# Altium PCB PA-HF_100W-VHF_60W.PcbDoc (part 2 of 3)
Units mm, origin at the board's own origin, x right, y up, seen from the top; angles counter-clockwise.
Board outline 171 x 171 mm, 2 copper layers (Top Layer, Bottom Layer), stack 1.571 mm thick; 425 components, 235 nets, 1294 pads, 562 vias.
Unrouted connection lines stored in the file: 405.
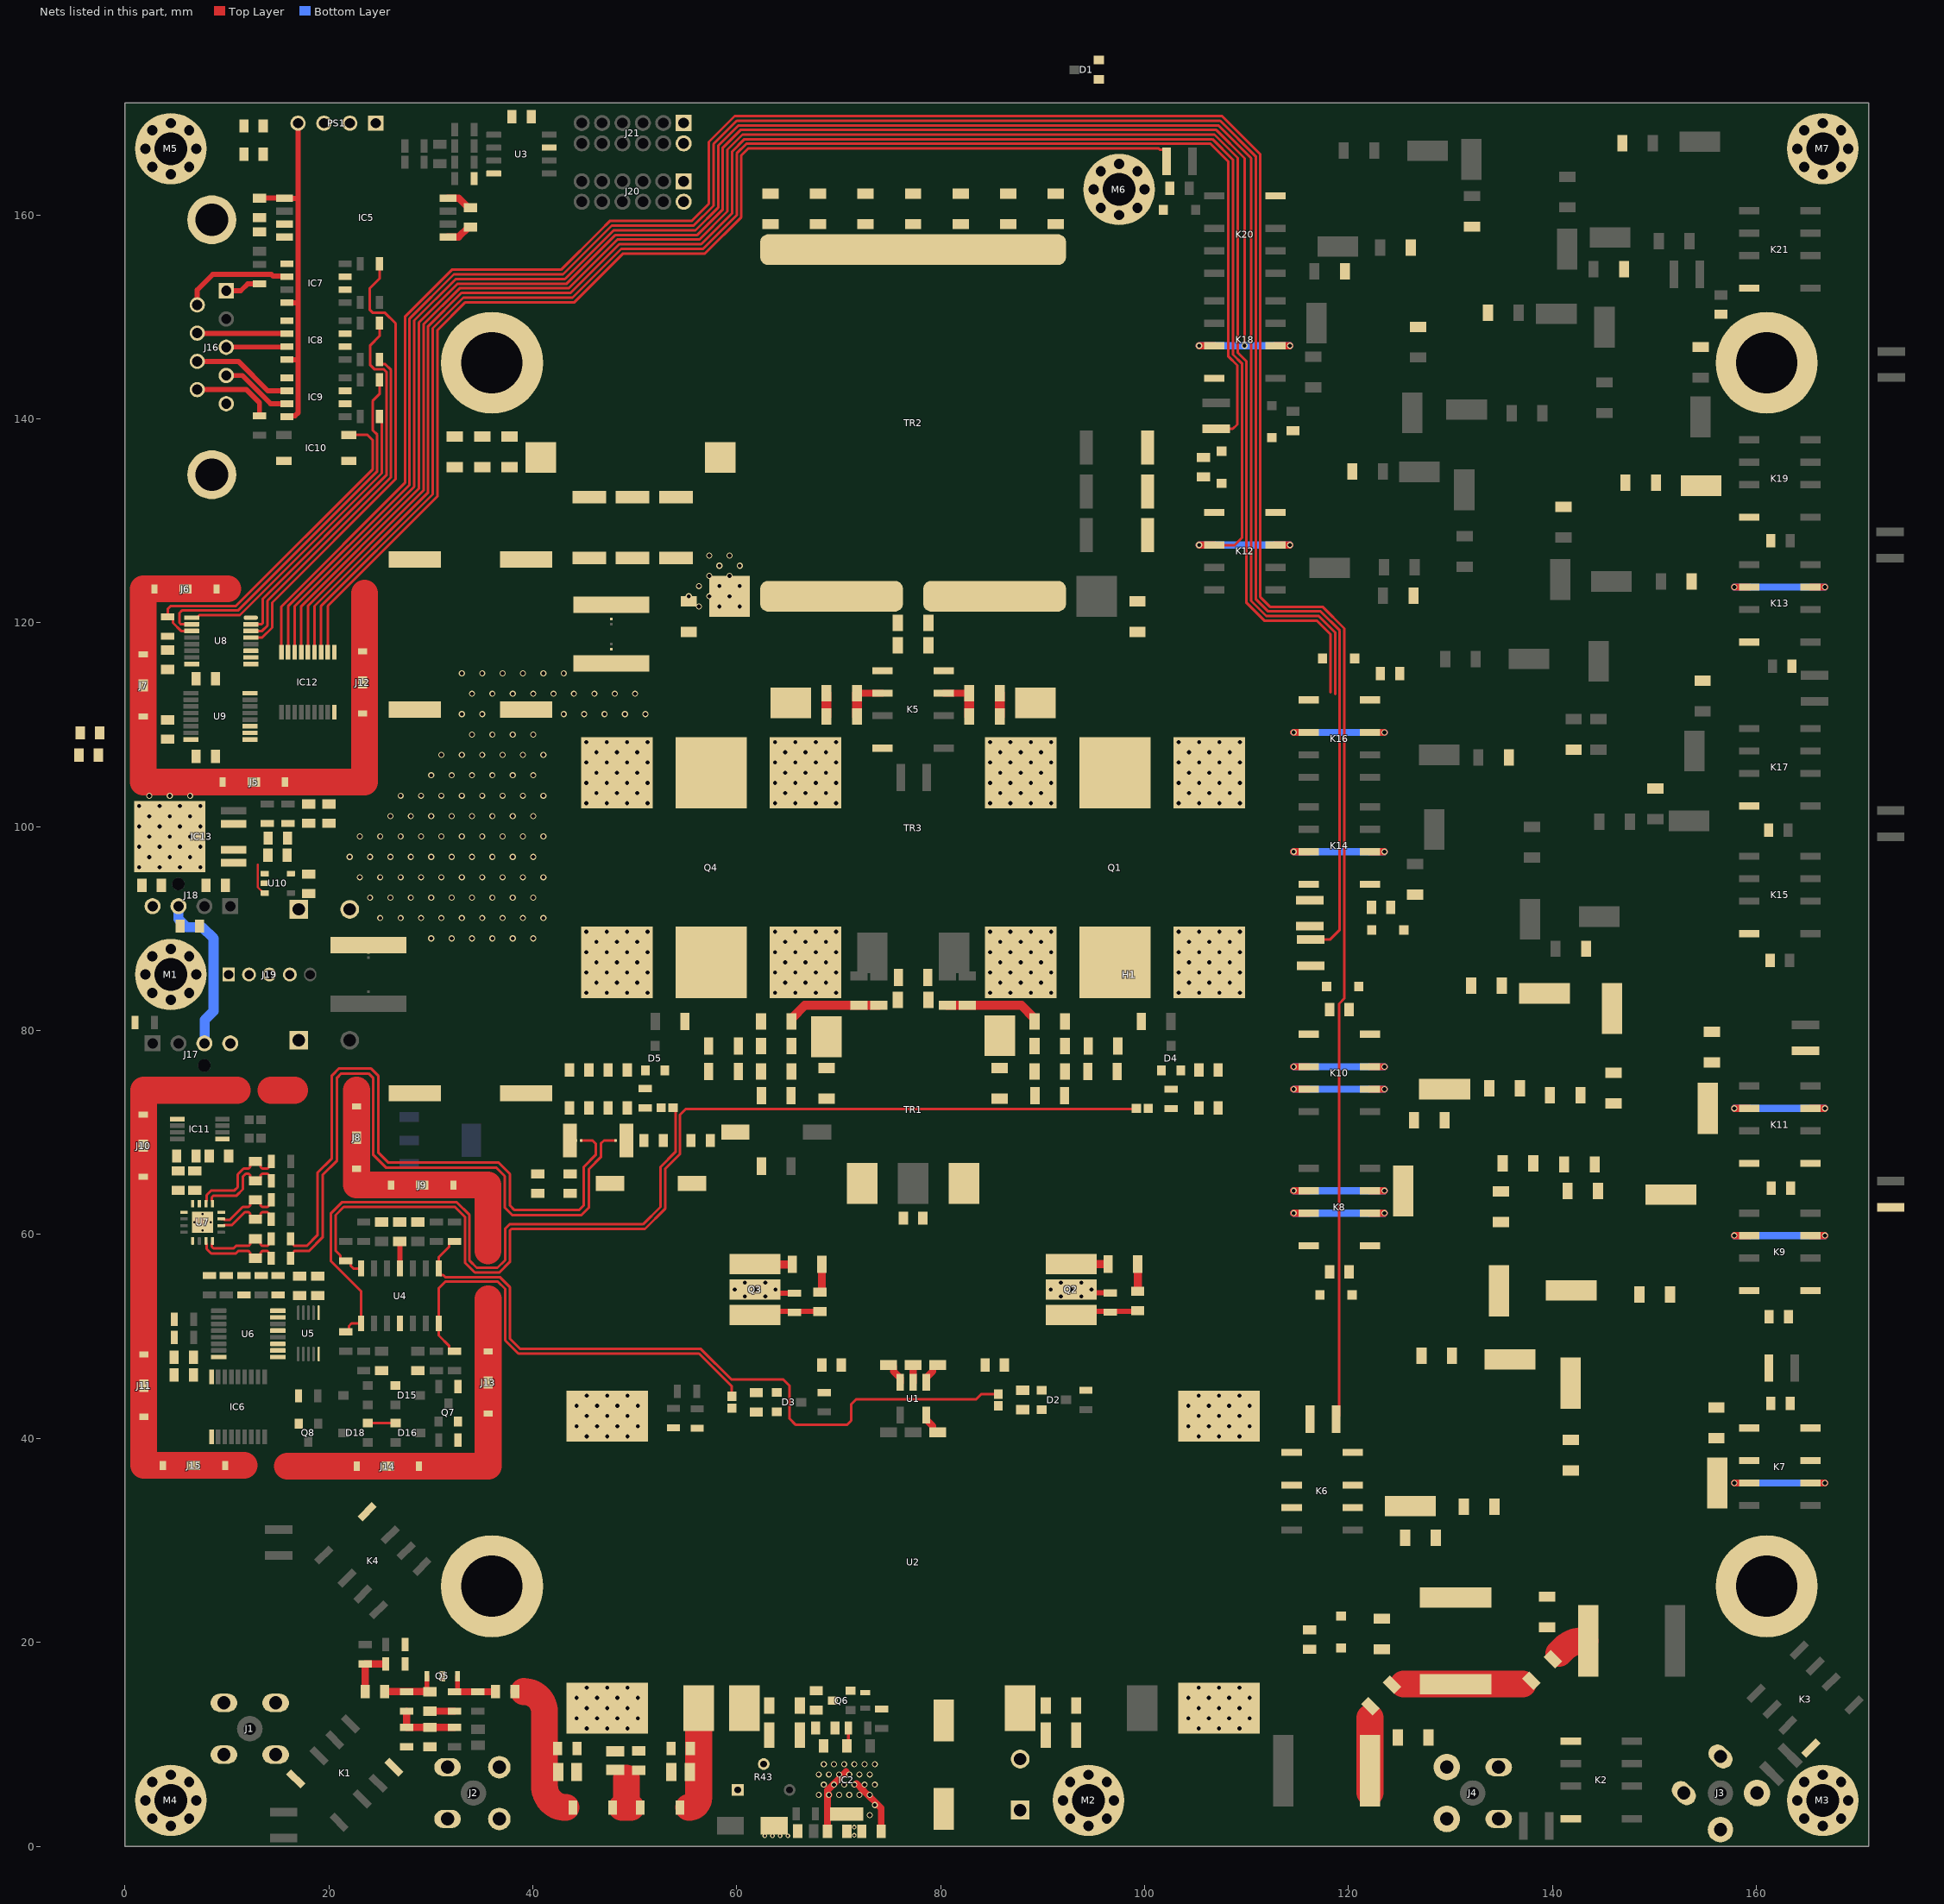
[diagram p2: the nets of this part, all layers, seen from the top]

## Footprints (in the part's own frame and the unit in brackets; to place one, negate y for a bottom-side part, rotate by r counter-clockwise, add the part's x,y. Pads: shape width x height; smd on the part's side, far side on the other; paste and mask are expansions set on the pad) (continued)
SHDR12W60P200_2X6_1400X500X690P [mm]
  rect 1.575x1.575 hole 1.05: 1(0,0)
  round 1.575 hole 1.05: 2(0,2) 3(-2,0) 4(-2,2) 5(-4,0) 6(-4,2) 7(-6,0) 8(-6,2) 9(-8,0) 10(-8,2) 11(-10,0) 12(-10,2)
  silkscreen extent -12.5,-1.5 2,3.8, body extent -12,-1.5 2,3.5, height 6.9
SMD-G-10X10.2 [mm] "10X7.7, 8.7, 10, 10.5, 12.5"
  rect 4.1x2 smd paste-0.05 mask+0.05: 1(4.35,0) 2(-4.35,0)
  silkscreen extent -5.25,-5.25 5.25,5.25, body extent -5.85,-5.15 5.85,5.15
"SMT RFI Shield Clip" [mm] "0.15mm"
  rect 0.6x0.9 smd paste+0 mask+0: 1(-3.05,0) 1(3.05,0)
  rect 1.2x0.9 smd paste+0 mask+0: 1(0,0)
  silkscreen extent -3.55,-0.65 3.55,0.65
SOIC127P600X290-8N [mm]
  rect 1.25x0.65 smd: 1(-2.85,1.905) 2(-2.85,0.635) 3(-2.85,-0.635) 4(-2.85,-1.905) 5(2.85,-1.905) 6(2.85,-0.635) 7(2.85,0.635) 8(2.85,1.905)
  silkscreen extent -3.47,-2.55 1.88,2.58, body extent -3,-2.55 3,2.55, height 2.9
SOIC127P1661X403-8N [mm]
  rect 1.65x0.7 smd: 1(-8,1.905) 2(-8,0.635) 3(-8,-0.635) 4(-8,-1.905) 5(8,-1.905) 6(8,-0.635) 7(8,0.635) 8(8,1.905)
  silkscreen extent -8.82,-3.12 6.83,3.12, body extent -8.3,-3.12 8.3,3.12, height 4.03
SOP65P490X110-8N [mm]
  rect 1.425x0.45 smd: 1(-2.212,0.975) 2(-2.212,0.325) 3(-2.212,-0.325) 4(-2.212,-0.975) 5(2.212,-0.975) 6(2.212,-0.325) 7(2.212,0.325) 8(2.212,0.975)
  silkscreen extent -2.93,-1.5 1.15,1.55, body extent -2.45,-1.5 2.45,1.5, height 1.1
SOP65P640X155-18N [mm]
  rect 1.45x0.45 smd: 1(-2.95,2.6) 2(-2.95,1.95) 3(-2.95,1.3) 4(-2.95,0.65) 5(-2.95,0) 6(-2.95,-0.65) 7(-2.95,-1.3) 8(-2.95,-1.95) 9(-2.95,-2.6) 10(2.95,-2.6) 11(2.95,-1.95) 12(2.95,-1.3) 13(2.95,-0.65) 14(2.95,0) 15(2.95,0.65) 16(2.95,1.3) 17(2.95,1.95) 18(2.95,2.6)
  silkscreen extent -3.67,-3.4 1.88,3.4, body extent -3.2,-3.4 3.2,3.4, height 1.55
SOT229P700X180-4N [mm]
  rect 1.3x0.95 smd: 1(-3.35,2.29) 2(-3.35,0) 3(-3.35,-2.29)
  rect 1.3x3.25 smd: 4(3.35,0)
  silkscreen extent -4,-3.25 1.75,3.25, body extent -3.5,-3.25 3.5,3.25, height 1.8
SOT-23 [mm] "3p 0.95P2.9x1.3mm - SOT23; SOT457; SC-74"
  rect 0.85x1 smd: 1(-0.95,-1.2) 2(0.95,-1.2) 3(0,1.2)
  silkscreen extent -1.6,-0.72 1.6,0.85, body extent -1.5,-1.25 1.5,1.25, height 1.1
STA_CSSH2728_STP [mil]
  rect 63x293 smd paste+0 mask+0: 1(-113.5,0) 2(113.5,0)
  silkscreen extent -70,-152 70,152, body extent -137,-146 137,146, height 49
TECO-2-1462037-3_V [mm] "SMT, 8-Leads, Body 10x6mm"
  rect 0.7x2 smd: 1(-3.8,-3) 2(-0.6,-3) 3(1.6,-3) 4(3.8,-3) 5(3.8,3) 6(1.6,3) 7(-0.6,3) 8(-3.8,3)
  silkscreen extent -5,-4.67 5,3, body extent -5,-3 5,3, height 5.65
TRANSF_ACORE2 [mm]
  rect 1x1.65 smd: 1(-3.3,-2.4) 2(-3.3,0) 3(-3.3,2.4) 4(3.3,2.4) 5(3.3,-2.4) ""(3.3,0)
  rect 1.65x0.76 smd: 1(-1.59,-1.27) 2(-1.59,0) 3(-1.59,1.27) 4(1.59,1.27) 5(1.59,-1.27)
  silkscreen extent -2.61,-3.21 2.61,3.13, body extent -3.5,-3.94 3.5,3.94, height 5.24
XT30UM [mm]
  rect 1.836x1.836 hole 1.224: 1(0,0)
  round 1.836 hole 1.224: 2(5,0)
  silkscreen extent -3.3,-2.6 7.6,2.6, body extent -2.6,-2.6 7.6,2.6, height 10.8

## Part data
C1 C2 C3 C4 C5 C6 C7 C8 C9 C10 C11 C12 C13 C14 C15 C16 C17 C18 C19 C21 C23 C25 C30 C31 C32 C33 C34 C35 C39 C40 C44 C45 C46 C47 C48 C49 C52 C54 C55 C59 C60 C62 C64 C65 C66 C67 C68 C69 C70 C134 C135 C136 C137 C138 C139 C140 C141 C142 C143 C144 C145 C146 C147 C148 C149 C150 C151 C152 C153 C154 C155 C156 C157 C158 C159 C160 C161 C162 C163 C164 C165 C166 C167 C168 C169: library part "C semi", "Ceramic Multilayer Capacitor"
C20 C22 C24 C26 C27 C28 C29 C36 C37 C38: library part "C semi", "Ceramic Multilayer Capacitor", Manufacturer P/N=C1206C104K5RAC7867
C41 C42 C43: "No Description Available", Mfr_Name=Panasonic, Copyright="Copyright (C) 2022 Ultra Librarian. All rights reserved.", Manufacturer_Part_Number=EEE-TKC102UAQ, RefDes=RefDes, Type=DEV
C50 C51 C56 C57 C58: library part "C semi", "Ceramic Multilayer Capacitor", Manufacturer=Yageo/Phycomp, Manufacturer P/N=CC0603JRNPO9BN102, Tolerance=±10%, numsch=011, Parameters="1nF, NP0, 50V, ±5%", TypeNum=155
C53 C61: library part CMP-2000-05483-2, "General Purpose Ceramic Capacitor, 1210, 22uF, 10%, X5R, 15%, 16V", Capacitance=22uF, Case Code (Imperial)=1210, Case Code (Metric)=3225, Dielectric=X5R, Max Operating Temperature=85°C, Min Operating Temperature=-55°C, Package Quantity=1, Tolerance=10%, Voltage=16V, Case/Package=1210, Construction=Flat, Contact Plating=Tin, Depth=2.5mm, Height=2.79mm, Lead Free="Lead Free", Length=3.2mm, Mount="Surface Mount", Number of Pins=2, Packaging="Tape and Reel", Radiation Hardening=No, REACH SVHC="No SVHC", RoHS Compliant=Yes, Series=-, Size=2.79mm, Termination=SMD/SMT, Thickness=0.11inch, Voltage Rating=16V, Voltage Rating (DC)=16V, Weight=0.000564oz, Width=0.098inch
C63: library part "SMD-G 470uF 25V", "CAP ALUM 470UF 20% 25V SMD", Lifetime @ Temp=2000Hrs@105℃, Manufacturer=KEMET, Manufacturer PartNumber=EDH477M025A9PAA, Package / Case="G, 0.394\" Dia (10.00mm)", Temp.Characteristic="–55 °C to +105 °C", Tolerance="±20 %", Voltage=25V, Assembly type="Manual Part", ComponentLink2URL=http://www.mouser.com/ds/2/315/ABA0000C1181-947564.pdf, Dealer Digi-Key=https://www.digikey.com/product-detail/en/kemet/EDH477M025A9PAA/EDH477M025A9PAA-ND/6597660, Dealer Аlternative=https://detail.1688.com/offer/541866342432.html, Detailed Description="470µF 25V Aluminum Electrolytic Capacitors Radial, Can - SMD  2000 Hrs @ 105°C", HelpURL=https://api.kemet.com/component-edge/download/datasheet/EDH477M025A9PAA.pdf, Note="Aluminum Electrolytic Capacitors", PartNumber Digi-Key=EDH477M025A9PAA, Pricing Digi-Key=0.21, Pricing Аlternative=0.05, Publisher="Catcatcat Electronics", website developer=http://catcatcat.d-lan.dp.ua/
C71: library part "C semi", "Ceramic Multilayer Capacitor", Manufacturer P/N=CL31C681JGHNNNE
C72 C85 C88: library part "C semi", "Ceramic Multilayer Capacitor", Manufacturer P/N=C1206C271JBGACAUTO
C73 C77 C80 C84 C87 C92 C96 C100 C101 C104 C108 C109 C114 C115 C123 C124 C132 C133: library part "C semi", "Ceramic Multilayer Capacitor", Manufacturer P/N=GRM31A5C2J330JW01D
C74 C83 C89: library part "C semi", "Ceramic Multilayer Capacitor", Manufacturer P/N=GRM31A5C2J561JW01D
C75: library part "C semi", "Ceramic Multilayer Capacitor", Manufacturer P/N=C3216C0G2J222J115AA
C76 C82: library part "C semi", "Ceramic Multilayer Capacitor", Manufacturer P/N=CC1206JRNPOBBN152
C78 C90: library part "C semi", "Ceramic Multilayer Capacitor", Manufacturer P/N=C3216C0G2J331J060AA
C79: library part "C semi", "Ceramic Multilayer Capacitor", Manufacturer P/N=AC1206JRNPOBBN101
C81: library part "C semi", "Ceramic Multilayer Capacitor", Manufacturer P/N=1206Y2500911KQT
C86: library part "C semi", "Ceramic Multilayer Capacitor", Manufacturer P/N=CC1206JRNPOBBN680
C91 C102 C111: library part "C semi", "Ceramic Multilayer Capacitor", Manufacturer P/N=CC1206JRNPOBBN470
C93: library part "C semi", "Ceramic Multilayer Capacitor", Manufacturer P/N=CGJ5C4C0G2H121J060AA
C94: library part "C semi", "Ceramic Multilayer Capacitor", Manufacturer P/N=C1206C270JBGAC7800
C95 C112: library part "C semi", "Ceramic Multilayer Capacitor", Manufacturer P/N=1206Y6300131JQT
C97 C105: library part "C semi", "Ceramic Multilayer Capacitor", Manufacturer P/N=VJ1206A910KBEAT4X
C98: library part "C semi", "Ceramic Multilayer Capacitor", Manufacturer P/N=1206Y5000241JQT
C99 C106: library part "C semi", "Ceramic Multilayer Capacitor", Manufacturer P/N=CL31C221JGFNNNE
C103 C119 C128: library part "C semi", "Ceramic Multilayer Capacitor", Manufacturer P/N=CL31C220JHFNNNE
C107: library part "C semi", "Ceramic Multilayer Capacitor", Manufacturer P/N=C3216C0G2J151J060AA
C110 C116 C118 C125 C127: library part "C semi", "Ceramic Multilayer Capacitor", Manufacturer P/N=GRM31A5C2J100JW01D
C113: library part "C semi", "Ceramic Multilayer Capacitor", Manufacturer P/N=VJ1206A620JXEMC
C117 C120 C126 C129: library part "C semi", "Ceramic Multilayer Capacitor", Manufacturer P/N=CL31C150JHFNNNE
C121 C122 C130 C131: library part "C semi", "Ceramic Multilayer Capacitor", Manufacturer P/N=VJ1206A750JBEAT4X
D1 D2 D3 D4 D5: library part "D SH SOT23C", "Schottky barrier diodes", Manufacturer=NXP, Manufacturer P/N=BAT54C, Parameters="VR 30V, IF 200mA", TypeNum=435
D6: library part CMP-2000-04943-2, "DIODE SCHOTTKY 40V 1A SMA", Forward Current=1A, Manufacturer="ON Semiconductor", Max Junction Temp=+125°C, Max Repetitive Reverse Voltage=40V, Max Surge Forward Current=40A, Package=403AE, Peak Reverse Current=0.2mA, Temperature="-65°C to +125°C", Temperature Range Low=-65°C, Automotive=No, Category=Diode, ComponentLink2Description=Datasheet, ComponentLink2URL=https://www.onsemi.com/pub/Collateral/SS19-D.PDF, Device Class L1="Discrete Semiconductors", Device Class L2=Diodes, Device Class L3="Schottky Diodes", Digikey Description="DIODE SCHOTTKY 40V 1A SMA", Height=2.5mm, Lead Free=Yes, Manufacturer Part Number=SS14, Mouser Description="Schottky Diodes & Rectifiers SMA 40V 1.0A", Octopart=https://octopart.com/ss14-on+semiconductor-29205033, RoHS=TRUE, Standoff Height=0.05mm, Temperature Range High=+125°C
D7 D8 D9 D10 D11 D12 D13 D14: library part CMP-12791-000005-1, "DIODE GEN PURP 100V 150MA SOD123", Capacitance=2pF, Forward Current=300mA, Manufacturer="Diodes Inc.", Max Junction Temp=+150°C, Max Repetitive Reverse Voltage=100V, Max Surge Forward Current=1A, Package=SOD123, Peak Reverse Current=1uA, Temperature="-65°C to +150°C", Temperature Range Low=-65°C, Automotive=No, Category=Diode, ComponentLink2Description=Datasheet, ComponentLink2URL=https://upverter.com/datasheet/628e7d6fee5901eee6eef4567d1c3569f2cd3cde.pdf, Device Class L1="Discrete Semiconductors", Device Class L2=Diodes, Device Class L3="Rectifier Diodes", Digikey Description="DIODE GEN PURP 100V 150MA SOD123", Footprint Url=https://www.diodes.com/assets/Package-Files/SOD123.pdf, Height=1.45mm, Lead Free=Yes, Manufacturer Part Number=1N4148W-13-F, Mouser Description="1N4148W Series 2 A 100 V 400 mW Surface Mount Fast Switching Diode - SOD-123", Octopart=https://octopart.com/1n4148w-13-f-diodes+inc.-2359612, Reverse Voltage=100V, RoHS=TRUE, Standoff Height=0mm, Temperature Range High=+150°C
FB1 FB2: library part CMP-19111-000017-1, "FERRITE BEAD 96 OHM 2SMD 1LN", Case Code (Imperial)=3312, Case Code (Metric)=8531, Case/Package=SMD/SMT, Current Rating=10A, DC Resistance (DCR)=1mR, Frequency=100MHz, Max Operating Temperature=125°C, Min Operating Temperature=-40°C, Package Quantity=1, Contact Plating=Tin, Depth=3.05mm, Height=0.12inch, Impedance=96R, Lead Free="Lead Free", Length=0.335inch, Material=Ferrite, Max Current Rating=10A, Max DC Current=10A, Mount="Surface Mount", Number of Lines=1, Packaging="Tape and Reel", RoHS Compliant=Yes, Series=28, Termination=SMD/SMT, Test Frequency=100MHz, Weight=0.01056oz, Width=0.12inch
FB3 FB4 FB5 FB6 FB8 FB9: library part CMP-0686-00368-3, "Chip Ferrite Bead, 0603, 1500Ω @ 100MHz, 0.5Ω, 25%, 500mA", Case Code (Imperial)=0603, Case Code (Metric)=1608, Current Rating=500mA, DC Resistance (DCR)=500mR, Max Operating Temperature=125°C, Min Operating Temperature=-55°C, Package Quantity=1, Test Frequency=100MHz, Tolerance=25%, Case/Package=0603, Core Material=Ferrite, DC Current=500mA, Depth=0.8mm, Height=0.8mm, Impedance=1.5kR, Lead Free="Lead Free", Length=1.6mm, Material=Ferrite, Max Current Rating=500mA, Max DC Current=500mA, Military Standard=Not, Number of Circuits=1, Number of Lines=1, Number of Pins=2, Packaging="Tape and Reel", Radiation Hardening=No, REACH SVHC="No SVHC", Termination=SMD/SMT, Width=0.8mm
FB7: library part "L BEAD SMD", "Chip Ferrite Bead", Manufacturer="KING CORE", Manufacturer P/N=FBM-11-160808-470T, numsch=031, Parameters="Z=47 ±25%, 300mA", TypeNum=315
IC1 IC3 IC4: "Integrated Circuit", Manufacturer_Name=Amass, Datasheet Link=https://www.tme.eu/Document/3cbfa5cfa544d79584972dd5234a409e/XT30U%20SPEC.pdf, Height=10.7mm, Manufacturer_Part_Number=XT30U-M
IC2: "Integrated Circuit", Manufacturer_Name="Advanced Monolithic Systems", Datasheet Link=http://www.advanced-monolithic.com/pdf/ds1117.pdf, Height=1.8mm, Manufacturer_Part_Number=AMS117
IC5: "Integrated Circuit", Manufacturer_Name="Avago Technologies", Mouser Part Number=630-ACNT-H87A-000E, Datasheet Link=https://4donline.ihs.com/images/VipMasterIC/IC/AVGO/AVGO-S-A0003550281/AVGO-S-A0003550281-1.pdf?hkey=52A5661711E402568146F3353EA87419, Height=4.034mm, Manufacturer_Part_Number=ACNT-H87A-000E, Mouser Price/Stock=https://www.mouser.co.uk/ProductDetail/Broadcom-Avago/ACNT-H87A-000E?qs=BZBei1rCqCBJ1okFPm4nfQ%3D%3D
IC6 IC12: "Integrated Circuit", Manufacturer_Name=Toshiba, Manufacturer_Part_Number=TBD62783AFNG(Z), Datasheet Link=https://toshiba.semicon-storage.com/info/docget.jsp?did=30523, Height=1.55mm
IC7 IC8 IC9: library part TLP2160_TP,F_, "Integrated Circuit", Arrow Part Number=TLP2160(TP,F), Manufacturer_Name=Toshiba, Mouser Part Number=757-TLP2160TPF, Arrow Price/Stock=https://www.arrow.com/en/products/tlp2160-tpf/toshiba, Datasheet Link=https://toshiba.semicon-storage.com/info/docget.jsp?did=10044&prodName=TLP2160, Height=2.9mm, Manufacturer_Part_Number=TLP2160(TP,F), Mouser Price/Stock=https://www.mouser.co.uk/ProductDetail/Toshiba/TLP2160TPF?qs=BybUIy1AcUYH5UC919f%2FeA%3D%3D
IC10: "Integrated Circuit", Manufacturer_Name="Cosmo Electronics", Datasheet Link=https://datasheet.lcsc.com/szlcsc/Cosmo-Electronics-KPC357NT0ATLD_C136410.pdf, Height=2.7mm, Manufacturer_Part_Number=KPC357NT0ATLD
IC11: "Integrated Circuit", Manufacturer_Name=Microchip, Mouser Part Number=886-EMC2101-ACZL-TR, Arrow Part Number=EMC2101-ACZL-TR, Arrow Price/Stock=https://www.arrow.com/en/products/emc2101-aczl-tr/microchip-technology, Datasheet Link=http://ww1.microchip.com/downloads/en/DeviceDoc/2101.pdf, Height=1.1mm, Manufacturer_Part_Number=EMC2101-ACZL-TR, Mouser Price/Stock=https://www.mouser.co.uk/ProductDetail/Microchip-Technology/EMC2101-ACZL-TR?qs=pA5MXup5wxFIE%2FN8LSbs9g%3D%3D
IC13: "Integrated Circuit", Manufacturer_Name="ROHM Semiconductor", Mouser Part Number=755-BA00CC0WFP-E2, Arrow Part Number=BA00CC0WFP-E2, Arrow Price/Stock=https://www.arrow.com/en/products/ba00cc0wfp-e2/rohm-semiconductor, Datasheet Link=https://datasheet.datasheetarchive.com/originals/dk/DKDS-10/186347.pdf, Height=2.5mm, Manufacturer_Part_Number=BA00CC0WFP-E2, Mouser Price/Stock=https://www.mouser.co.uk/ProductDetail/ROHM-Semiconductor/BA00CC0WFP-E2?qs=4kLU8WoGk0t%2Fg3HZY45H1w%3D%3D
J1 J2 J3 J4: library part 31-5431, "SMA"
J16: library part CMP-1502-00284-1, "Male PCB Connector with Hex Screw WR-DSUB, 8.08 mm, Angled, 9 pins", Contact Resistance=30mOhm, Manufacturer="Wurth Elektronik", Operating Temperature=-40to85degC, Rated Current=3A, Working Voltage=125VAC, Datasheet URL=https://katalog.we-online.de/em/datasheet/6180xx231221.pdf, Gender=Male, Manufacturer URL=http://www.we-online.de, Mounting Technology=THT, Orientation=Angled, Package Reference=618009231221, Packaging=Tray, Part Number=618009231221, Pin Number=9, Publisher=WurthElektronik
J17 J18: library part CMP-04776-000290-1, "CONN HEADER VERT 4POS 2.54MM", Current Rating=4A, Housing Color=Beige, Max Operating Temperature=75°C, Min Operating Temperature=0°C, Package Quantity=12000, Voltage Rating=250V, Contact Material=Brass, Contact Plating=Tin, Depth=5.84mm, Gender=Male, Glow Wire Compliant=Non-compliant, Halogen Free="Low Halogen", Housing Material=Nylon, Length=10.2mm, Mount="Through Hole", Number of Circuits=4, Number of Contacts=4, Number of Positions=4, Number of Rows=1, Orientation=Vertical, Packaging=Bulk, Pitch=2.54mm, Radiation Hardening=No, Series=47053, Termination="Through Hole", Voltage Rating (DC)=250V
J19: "Connector", Arrow Part Number=B5B-PH-K-S(LF)(SN), Manufacturer_Name="JST (JAPAN SOLDERLESS TERMINALS)", Arrow Price/Stock=https://www.arrow.com/en/products/b5b-ph-k-s-lf-sn/jst-manufacturing, Datasheet Link=http://uk.rs-online.com/web/p/products/8201438, Height=6mm, Manufacturer_Part_Number=B5B-PH-K-S(LF)(SN)
J20 J21: "Connector", Arrow Part Number=DF11-12DP-2DSA(24), Manufacturer_Name=Hirose, Mouser Part Number=798-DF11-12DP-2DSA24, Arrow Price/Stock=https://www.arrow.com/en/products/df11-12dp-2dsa-24/hirose-electric, Datasheet Link=https://datasheet.datasheetarchive.com/originals/distributors/SFDatasheet-7/sf-000141225.pdf, Height=6.9mm, Manufacturer_Part_Number=DF11-12DP-2DSA(24), Mouser Price/Stock=https://www.mouser.co.uk/ProductDetail/Hirose-Connector/DF11-12DP-2DSA24?qs=zOgoZG1CgI9hGIQfeQgy6Q%3D%3D
K1 K2 K3 K4 K5 K6 K7 K8 K9 K10 K11 K12 K13 K14 K15 K16 K17 K18 K19 K20 K21: library part CMP-2000-05409-1, "Signal Relay, 2 A, 12 VDC, -40 to 85 degC, 8-Pin SMD, RoHS, Tape and Reel", Coil Current=11.67mA, Coil Resistance=1.029kohm, Coil Voltage DC=12V, Contact Current Rating=2A, Dropout Volt=1.2VDC, Manufacturer="TE Connectivity", Maximum Power Rating=60W/62.5VA, Operating Temp Range=-40Cto85C, Pick-up Voltage (Max)=9VDC, Voltage Rating (VAC)=250V, Voltage Rating (VDC)=220, Coil Suppression Diode=No, Contact Arrangement=DPDT, Contact Form=2FormC, Contact Material=PalladiumRuthenium/Gold, Datasheet URL=http://www.te.com/commerce/DocumentDelivery/DDEController?Action=srchrtrv&DocNm=108-98001&DocType=SS&DocLang=EN, Datasheet Version="Rev. 0116, 01/2016", LED Indicator=No, Manufacturer URL=http://www.te.com/, Mounting Style=SurfaceMount, Operate Time=1ms, Packaging=TapeandReel, Pin Count=8, Product Depth (mm)=7.5mm, Product Height (mm)=5.65mm, Product Length (mm)=10mm, Push To Test Button=No, Relay Construction=Non-Latching, Seal=Unsealed, Termination Style=GullWing, Type=SignalRelay
L1 L2 L3 L4 L5 L17 L18 L21 L22 L25 L26 L30 L33 L36 L40 L41 L45 L46: library part CMP-14484-000373-1, "SMD Inductors 100uH ±20% 0.34A 1.82Ω 1210", Case Code (Imperial)=1210, Case Code (Metric)=3225, Current Rating=340mA, DC Resistance (DCR)=1.82R, Inductance=100uH, Inductance Tolerance=20%, Inductor Type=POWER, Max Operating Temperature=105°C, Min Operating Temperature=-40°C, Package Quantity=1000, Resistance=1.4R, Resistor Type=Wirewound, Saturation Current=270mA, Self Resonant Frequency=6MHz, Test Frequency=100kHz, Case/Package=1210, Core Material=Ferrite, DC Current=340mA, Depth=2.7mm, Halogen Free="Halogen Free", Height=2.5mm, Height - Seated (Max)=0.106inch, Lead Free="Lead Free", Length=0.126inch, Max DC Current=340mA, Military Standard=Not, Mount="Surface Mount", Number of Pins=2, Packaging="Tape and Reel", Radiation Hardening=No, RoHS Compliant=Yes, Series=CB, Shielding=Unshielded, Termination=SMD/SMT, Tolerance=20%, Width=0.098inch
L6 L15 L16 L19 L20 L23 L24 L27 L28 L29 L31 L32 L34 L35 L37 L38 L39 L42 L43 L44: library part Amidon
L7 L8 L9 L10 L11 L12: library part RF_inductor
L13 L14: library part CMP-2000-05954-1, "Chip Bead, 1000 Ohm, +/- 25%, 200 mA, -55 to 85 degC, 2-Pin SMD, RoHS, Tape and Reel", Case Height=0.85mm, Case Length=2mm, Case Width=1.25mm, Manufacturer=Murata, Maximum DC Current=200mA, Maximum DC Resistance=450mOhms, Operating Temperature Range=-55Cto+125C, Package / Case=0805(2012metric), Package Description="2-Pin Surface Mount Device, Body 2 x1.25 mm", Package Reference=0805, Test Frequency=100MHz, Tolerance=25%, Brand=MurataElectronics, Datasheet URL=http://datasheet.octopart.com/BLM21AH102SN1D-Murata-datasheet-629859.pdf, Datasheet Version=11/2017, Dimensions=1.25mmWx2mmLx0.85mmH, Factory Pack Quantity=4000, Impedance=1kOhms, Manufacturer URL=http://www.murata.com/, Mounting Technology=SurfaceMount, Packaging=Reel, Product=FerriteChipBeads, Product Category=EMIFilterBeads,Chips&Arrays, RoHS=Details, Series=BLM21A, Termination Style=SMD/SMT
NT1 NT2 NT3 NT4 NT5 NT6: "Single point connection between nets.", LatestRevisionDate=2014-12-30, LatestRevisionNote="Added Alternate PartNumber and Alternate Manufacturer parameters to appropriate components.", MountType=SMT, PackageReference=N/A, Publisher="Texas Instruments", SymbolCreator=codlsc, SymbolVersion=2009-07-01
PS1: "Power Supply", Manufacturer_Name=Mornsun, Datasheet Link=https://www.mornsun-power.com/public/uploads/pdf/B_D-1WR2.pdf, Height=10.41mm, Manufacturer_Part_Number=B1205S-1WR2
Q6: library part CMP-2000-06487-1, "HEXFET(R) Power MOSFET, 3.6 A, 30 V, -55 to 150 degC, 3-Pin SOT-23, RoHS, Tape and Reel", Current - Continuous Drain (Id) @ 25°C=3.6A(Ta), Drain to Source Voltage (Vdss)=30V, Input Capacitance (Ciss) @ Vds=388pF@25V, Manufacturer=InfineonTechnologies, Operating Temperature=-55°C~150°C(TJ), Package / Case=TO-236-3,SC-59,SOT-23-3, Package Description="3-Pin Small Outline Transistor, Body 2.92 x 1.3 mm, Pitch 0.95 mm", Package Reference=SOT-23-3, Power - Max=1.3W, Supplier Device Package=Micro3™/SOT-23, Category=DiscreteSemiconductorProducts, Datasheet URL=http://www.infineon.com/dgdl/irlml9301pbf.pdf?fileId=5546d462533600a401535668e5e42640, Datasheet Version=02/2012, Family=Transistors-FETs,MOSFETs-Single, FET Feature=Standard, FET Type=MOSFETP-Channel,MetalOxide, Gate Charge (Qg) @ Vgs=4.8nC@4.5V, Manufacturer URL=http://www.infineon.com/, Mounting Technology=SurfaceMount, Mounting Type=SurfaceMount, Packaging=Tape&Reel(TR), Part Status=Active, Rds On (Max) @ Id, Vgs=64mOhm@3.6A,10V, Series=HEXFET®, Vgs(th) (Max) @ Id=2.4V@10µA
Q7 Q8: library part CMP-2000-06483-1, "HEXFET(R) Power MOSFET, 1.3 W, 4.4 ns, -55 to 150 degC, 3-Pin SOT-23, RoHS, Tape and Reel", Manufacturer="International Rectifier", Maximum Continuous Drain Current=5.3A, Maximum Drain Source Resistance=0.027Ω, Maximum Drain Source Voltage=30V, Maximum Gate Source Voltage=±20V, Maximum Gate Threshold Voltage=2.3V, Maximum Operating Temperature=+150°C, Maximum Power Dissipation=1.3W, Minimum Gate Threshold Voltage=1.3V, Minimum Operating Temperature=-55°C, Package Description="3-Pin Small Outline Transistor, Body 2.92 x 1.3 mm, Pitch 0.95 mm", Package Reference=SOT-23-3, Package Type=SOT-23, Typical Input Capacitance @ Vds=382pF@15V, Category=PowerMOSFET, Channel Mode=Enhancement, Channel Type=N, Datasheet URL=https://datasheet.ciiva.com/4442/irlml0030pbf-90019-4442451.pdf, Datasheet Version=02/2012, Dimensions=3.04x1.4x1.02mm, Height=1.02mm, Length=3.04mm, Manufacturer URL=http://internationalrectifier.com/, Mounting Technology=SurfaceMount, Mounting Type=SurfaceMount, Number of Elements per Chip=1, Pin Count=3, Transistor Configuration=Single, Transistor Material=Si, Typical Gate Charge @ Vgs=2.6nC@4.5V, Typical Turn-Off Delay Time=7.4ns, Typical Turn-On Delay Time=5.2ns, Width=1.4mm
Q9: library part CMP-2000-06916-1, "NPN General-Purpose Amplifier, 40 V, 200 mA, -55 to 150 degC, 4-Pin SOT223, RoHS, Tape and Reel", Manufacturer=FairchildSemiconductor, Maximum Collector Base Voltage=60V, Maximum Collector Emitter Saturation Voltage=0.2@1mA@10mA, Maximum Collector Emitter Voltage=40V, Maximum DC Collector Current=0.2A, Maximum Operating Frequency=300(Min)MHz, Maximum Power Dissipation=1000mW, Minimum DC Current Gain=40@0.1mA@1V, Operating Temperature=-55to150°C, Package=4SOT-223, Package Description="4-Pin Small Outline Transistor, Body 6.45 x 3.5 mm, Pitch 2.3 mm", Package Reference=SOT223-4, Package Version="Rev. 3, 07/2016", Category=GPBJT, Datasheet URL=https://www.fairchildsemi.com/datasheets/MM/MMBT3904.pdf, Datasheet Version="Rev. 1.1.0, 10/2014", Manufacturer URL=https://www.fairchildsemi.com/, Mounting=SurfaceMount, Mounting Technology=SurfaceMount, Package URL=https://www.fairchildsemi.com.cn/package-drawings/MA/MA04A.pdf, Packaging=Tape&Reel, Pin Count=4, Rad Hard=No, Type=NPN
R1 R2 R3 R4 R5 R6 R7 R8 R9 R10 R14 R15 R16 R17 R18 R19 R20 R21 R22 R23 R24 R25 R30 R31 R34 R35 R36 R37 R38 R39 R40 R41 R42 R45 R47 R48 R49 R50 R51 R52 R53 R54 R55 R56 R57 R58 R59 R60 R61 R62 R63 R64 R65 R66 R67 R68 R69 R70 R71 R72 R73 R74 R75 R76 R77 R78 R79 R80 R81 R82 R83 R84 R85 R86 R87 R88 R89: library part "RES semi", "Chip Resistor"
R11 R12 R13: library part CMP-1018-00105-1, "2K 1W 5% 2512 (6432 Metric)  SMD", Case-EIA=2512, Case-Metric=6432, Power="1 W", Tolerance="5 %", Technology=SMT
R26: library part "RES semi", "Chip Resistor", Manufacturer P/N=RC1206FR-0722RL
R27 R28 R29: "No Description Available", Mfr_Name="Bourns Electronics", Copyright="Copyright (C) 2022 Ultra Librarian. All rights reserved.", Manufacturer_Part_Number=CRM2512-JW-4R7ELF, RefDes=RefDes, Type=DEV
R32: library part CMP-07231-006693-1, "RES 0.02 OHM 1% 3W 2512"
R33 R44: "No Description Available", Mfr_Name="Stackpole International", Copyright="Copyright (C) 2022 Ultra Librarian. All rights reserved.", Manufacturer_Part_Number=CSSH2728FT5L00, RefDes=RefDes, Type=DEV
R43: library part CMP-07234-000016-1, "TRIMMER 1K OHM 0.25W PC PIN TOP", Manufacturer=Bourns, Manufacturer Part Number=3266W-1-103LF, Package=3266W, Power Rating=0.25W, Resistance=10kΩ, Temperature="-55°C to +125°C", Temperature Coefficient=100ppm/°C, Temperature Range High=+125°C, Temperature Range Low=-55°C, Tolerance=10%, Automotive=No, Category=Res, ComponentLink2Description=Datasheet, ComponentLink2URL=https://www.bourns.com/docs/Product-Datasheets/3266.pdf, Composition=Cermet, Device Class L1="Passive Components", Device Class L2=Resistors, Device Class L3="Variable Resistors and Potentiometers", Digikey Description="TRIMMER 10K OHM 0.25W PC PIN TOP", Height=9.02mm, Lead Free=Yes, Mouser Description="Trimmer Resistors - Through Hole 1/4 10Kohms 10% SQ W/Standoff Sealed", Octopart=https://octopart.com/3266w-1-103lf-bourns-81445, RoHS=TRUE, Series=3266, Standoff Height=0.43mm
R46: library part "RES semi", "Chip Resistor", Manufacturer=Yageo/Phycomp, Manufacturer P/N=RC0603FR-0749R9L, numsch=021, Parameters="49.9R, RC, 0.1W, ±1%, TCR ±100ppm", TypeNum=212
TR1 TR3: "BN43-202 3+3T:3T 0.5mm"
TR2: "BN61-002 1T:4T 25ohms coaxial"
U1: "1:1"
U3: library part CMP-0272-00694-3, "Precision, Low Noise, Low Iq Operational Amplifier, 2.2 to 5.5 V, -40 to 125 degC, 8-pin SOIC (D8), Green (RoHS & no Sb/Br)", Manufacturer="Texas Instruments", Total Supply Voltage(Max)(+5V is 5, +/-5V is 10)=5.5, Total Supply Voltage(Min)(+5V is 5, +/-5V is 10)=2.2, CMRR(Min)(dB)=76, Code_JEDEC=MS-012, ComponentLink1Description="Manufacturer URL", ComponentLink1URL=http://www.ti.com/, ComponentLink2Description=Datasheet, ComponentLink2URL=http://www.ti.com/general/docs/lit/getliterature.tsp?genericPartNumber=OPA376&fileType=pdf, ComponentLink3Description="Package Specification", ComponentLink3URL=http://www.ti.com/litv/pdf/msoi002j, DatasheetVersion=SBOS406F, Eco-Plan="Green (RoHS & no Sb/Br)", IIB(Max)(pA)=10, Iq per channel(Max)(mA)=0.95, Mounting Technology="Surface Mount", Number of Channels=1, Offset Drift(Typ)(uV/C)=0.32, PackageDescription="8-Pin Plastic Small Outline, Body 4.9 x 3.9 mm, Pitch 1.27 mm", PackageReference=D0008A, PackageVersion="4040047-3/M, 06/2011", PartNumber=OPA376AIDR, Slew Rate(Typ)(V/us)=2, Sub Family="Low Input Bias Current Amp (<=10pA), Low Noise Amp (<=10nV/rtHz), Low Offset Voltage Amplifier (<=500uV), Low Supply Voltage Amplifier (<=2.7V), Precision Amplifier", Vio (25C)(Max)(mV)=0.025, Vn at 1kHz(Typ)(nV/rtHz)=7.5
U4: library part CMP-04895-000189-1, "IC CMOS 4 CIRCUIT 14SOIC", Case/Package=SOIC, Input Bias Current=0.5pA, Input Offset Voltage (Vos)=300uV, Max Operating Temperature=125°C, Min Operating Temperature=-40°C, Operating Supply Current=538uA, Output Current per Channel=50mA, Gain Bandwidth Product=10MHz, Mount="Surface Mount", Number of Channels=4, Number of Circuits=4, Number of Pins=14, Packaging="Cut Tape", RoHS Compliant=Yes, Slew Rate=6.5V/µs
U5: library part CMP-0188-01009-2, "12-Bit Quad Digital-to-Analog Converter with EEPROM Memory, 10-pin MSOP, Extended Temperature, Tape and Reel", ComponentLink1Description="Manufacturer URL", ComponentLink1URL=http://www.microchip.com/, ComponentLink2Description=Datasheet, ComponentLink2URL=http://ww1.microchip.com/downloads/en/DeviceDoc/22187E.pdf, ComponentLink3Description="Package Specification", ComponentLink3URL=http://www.microchip.com/stellent/groups/techpub_sg/documents/packagingspec/en012702.pdf, DatasheetVersion="revE, Oct-2010", PackageDescription="10-Lead Plastic Micro Small Outline Package (UN) [MSOP]", PackageReference=MSOP-UN10, PackageVersion="revBB, Aug-2009", RevisionNote="URLs added. DatasheetVersion updated."
U6 U8 U9: library part CMP-04886-000001-1, "IC I/O EXPANDER I2C 8B 16TSSOP", Ambient Temperature Range High=+85°C, Ambient Temperature Range Low=-40°C, Frequency=400kHz, Manufacturer="Texas Instruments", Max Junction Temp=100°C, Max Supply Voltage=5.5V, Min Supply Voltage=1.65V, Nominal Supply Current=5-22uA, Package=PW0016A, Temperature="-40°C to +85°C", Automotive=No, Category=IC, ComponentLink2Description=Datasheet, ComponentLink2URL=http://www.ti.com/lit/ds/symlink/tca9534a.pdf, Device Class L1="Integrated Circuits (ICs)", Device Class L2="Interface ICs", Device Class L3="I/O Expanders", Digikey Description="IC I/O EXPANDER I2C 8B 16TSSOP", Height=1.2mm, Interface=I2C,SMBus, Lead Free=Yes, Manufacturer Part Number=TCA9534APWR, Number Of I/Os=8, Octopart=https://octopart.com/tca9534apwr-texas+instruments-50333529, RoHS=TRUE, Standoff Height=0.05mm, Temperature Range High=+85°C, Temperature Range Low=-40°C
U7: library part CMP-0704-00001-2, "Triple Channel Shunt and Bus Voltage Monitor, 120 dB, 2.7 to 5.5 V, -40 to 125 degC, 16-Pin VQFN (RGV), Green (RoHS & no Sb/Br), Tape and Reel", Manufacturer="Texas Instruments", Offset Voltage (max)="+/- 80 uV", Operating Supply Range="2.7 to 5.5 V", Quiescent Current (Typ)="350 uA", Rating=Catalog, Temperature Range="-40 to 125 degC", Voltage Input Range (Bus)="0 to 26 V", CMR (Typ)="120 dB", ComponentLink1Description="Manufacturer URL", ComponentLink1URL=http://www.ti.com/, ComponentLink2Description=Datasheet, ComponentLink2URL=http://www.ti.com/lit/ds/symlink/ina3221.pdf, ComponentLink3Description="Package Specification", ComponentLink3URL=http://www.ti.com/lit/ds/symlink/ina3221.pdf, DatasheetVersion=SBOS576A, Gain="1 V/V", Gain Error (max)=0.25%, Mounting Technology="Surface Mount", PackageDescription="16-Pin Quad Flat No-lead Package, Body 4 x 4 mm, Pitch 0.65 mm", PackageReference=RGV0016A, PackageVersion=SBOS576A, Packing="Tape and Reel", PartNumber=INA3221AIRGVR, RoHS=TRUE
U10: library part CMP-0394-00364-2, "Single Output High PSRR LDO, 200 mA, Fixed 3.3 V Output, 2.7 to 5.5 V Input, 5-pin SOT-23 (DBV), -40 to 85 degC, Green (RoHS & no Sb/Br)", Manufacturer="Texas Instruments", Rating=Catalog, Accuracy(%)=2, Code_JEDEC=MO-178, ComponentLink1Description="Manufacturer URL", ComponentLink1URL=http://www.ti.com/, ComponentLink2Description=Datasheet, ComponentLink2URL=http://www.ti.com/general/docs/lit/getliterature.tsp?genericPartNumber=TPS79333&fileType=pdf, ComponentLink3Description="Package Specification", ComponentLink3URL=http://www.ti.com/litv/pdf/mpds018i, DatasheetVersion=SLVS348K, Eco-Plan="Green (RoHS & no Sb/Br)", Fixed Output Options(V)=3.3, Iout(Max)(A)=0.2, Iq(Typ)(mA)=0.2, Mounting Technology="Surface Mount", PackageDescription="5-Pin Plastic Small Outline, Body 1.60 Ãƒâ€” 2.90 mm, Pitch 0.95 mm", PackageReference=DBV0005A, PackageVersion=4073253-4/K, PartNumber=TPS79333DBVR, SubFamily="Single Channel LDO", Vdo(Typ)(mV)=102, Vin(Max)(V)=5.5, Vin(Min)(V)=2.7, Vout Adj(Max)(V)=3.3, Vout Adj(Min)(V)=3.3

## Via types
v1: diameter 0.6, hole 0.4, Top Layer to Bottom Layer, 522 vias
v2: diameter 0.6, hole 0.4, Top Layer to Bottom Layer, tented both sides, 26 vias
v3: diameter 0.45, hole 0.25, Top Layer to Bottom Layer, tented both sides, 10 vias
v4: diameter 0.5, hole 0.2, Top Layer to Bottom Layer, tented both sides, 4 vias
